# KiCad board k410t-devboard.kicad_pcb (continued)
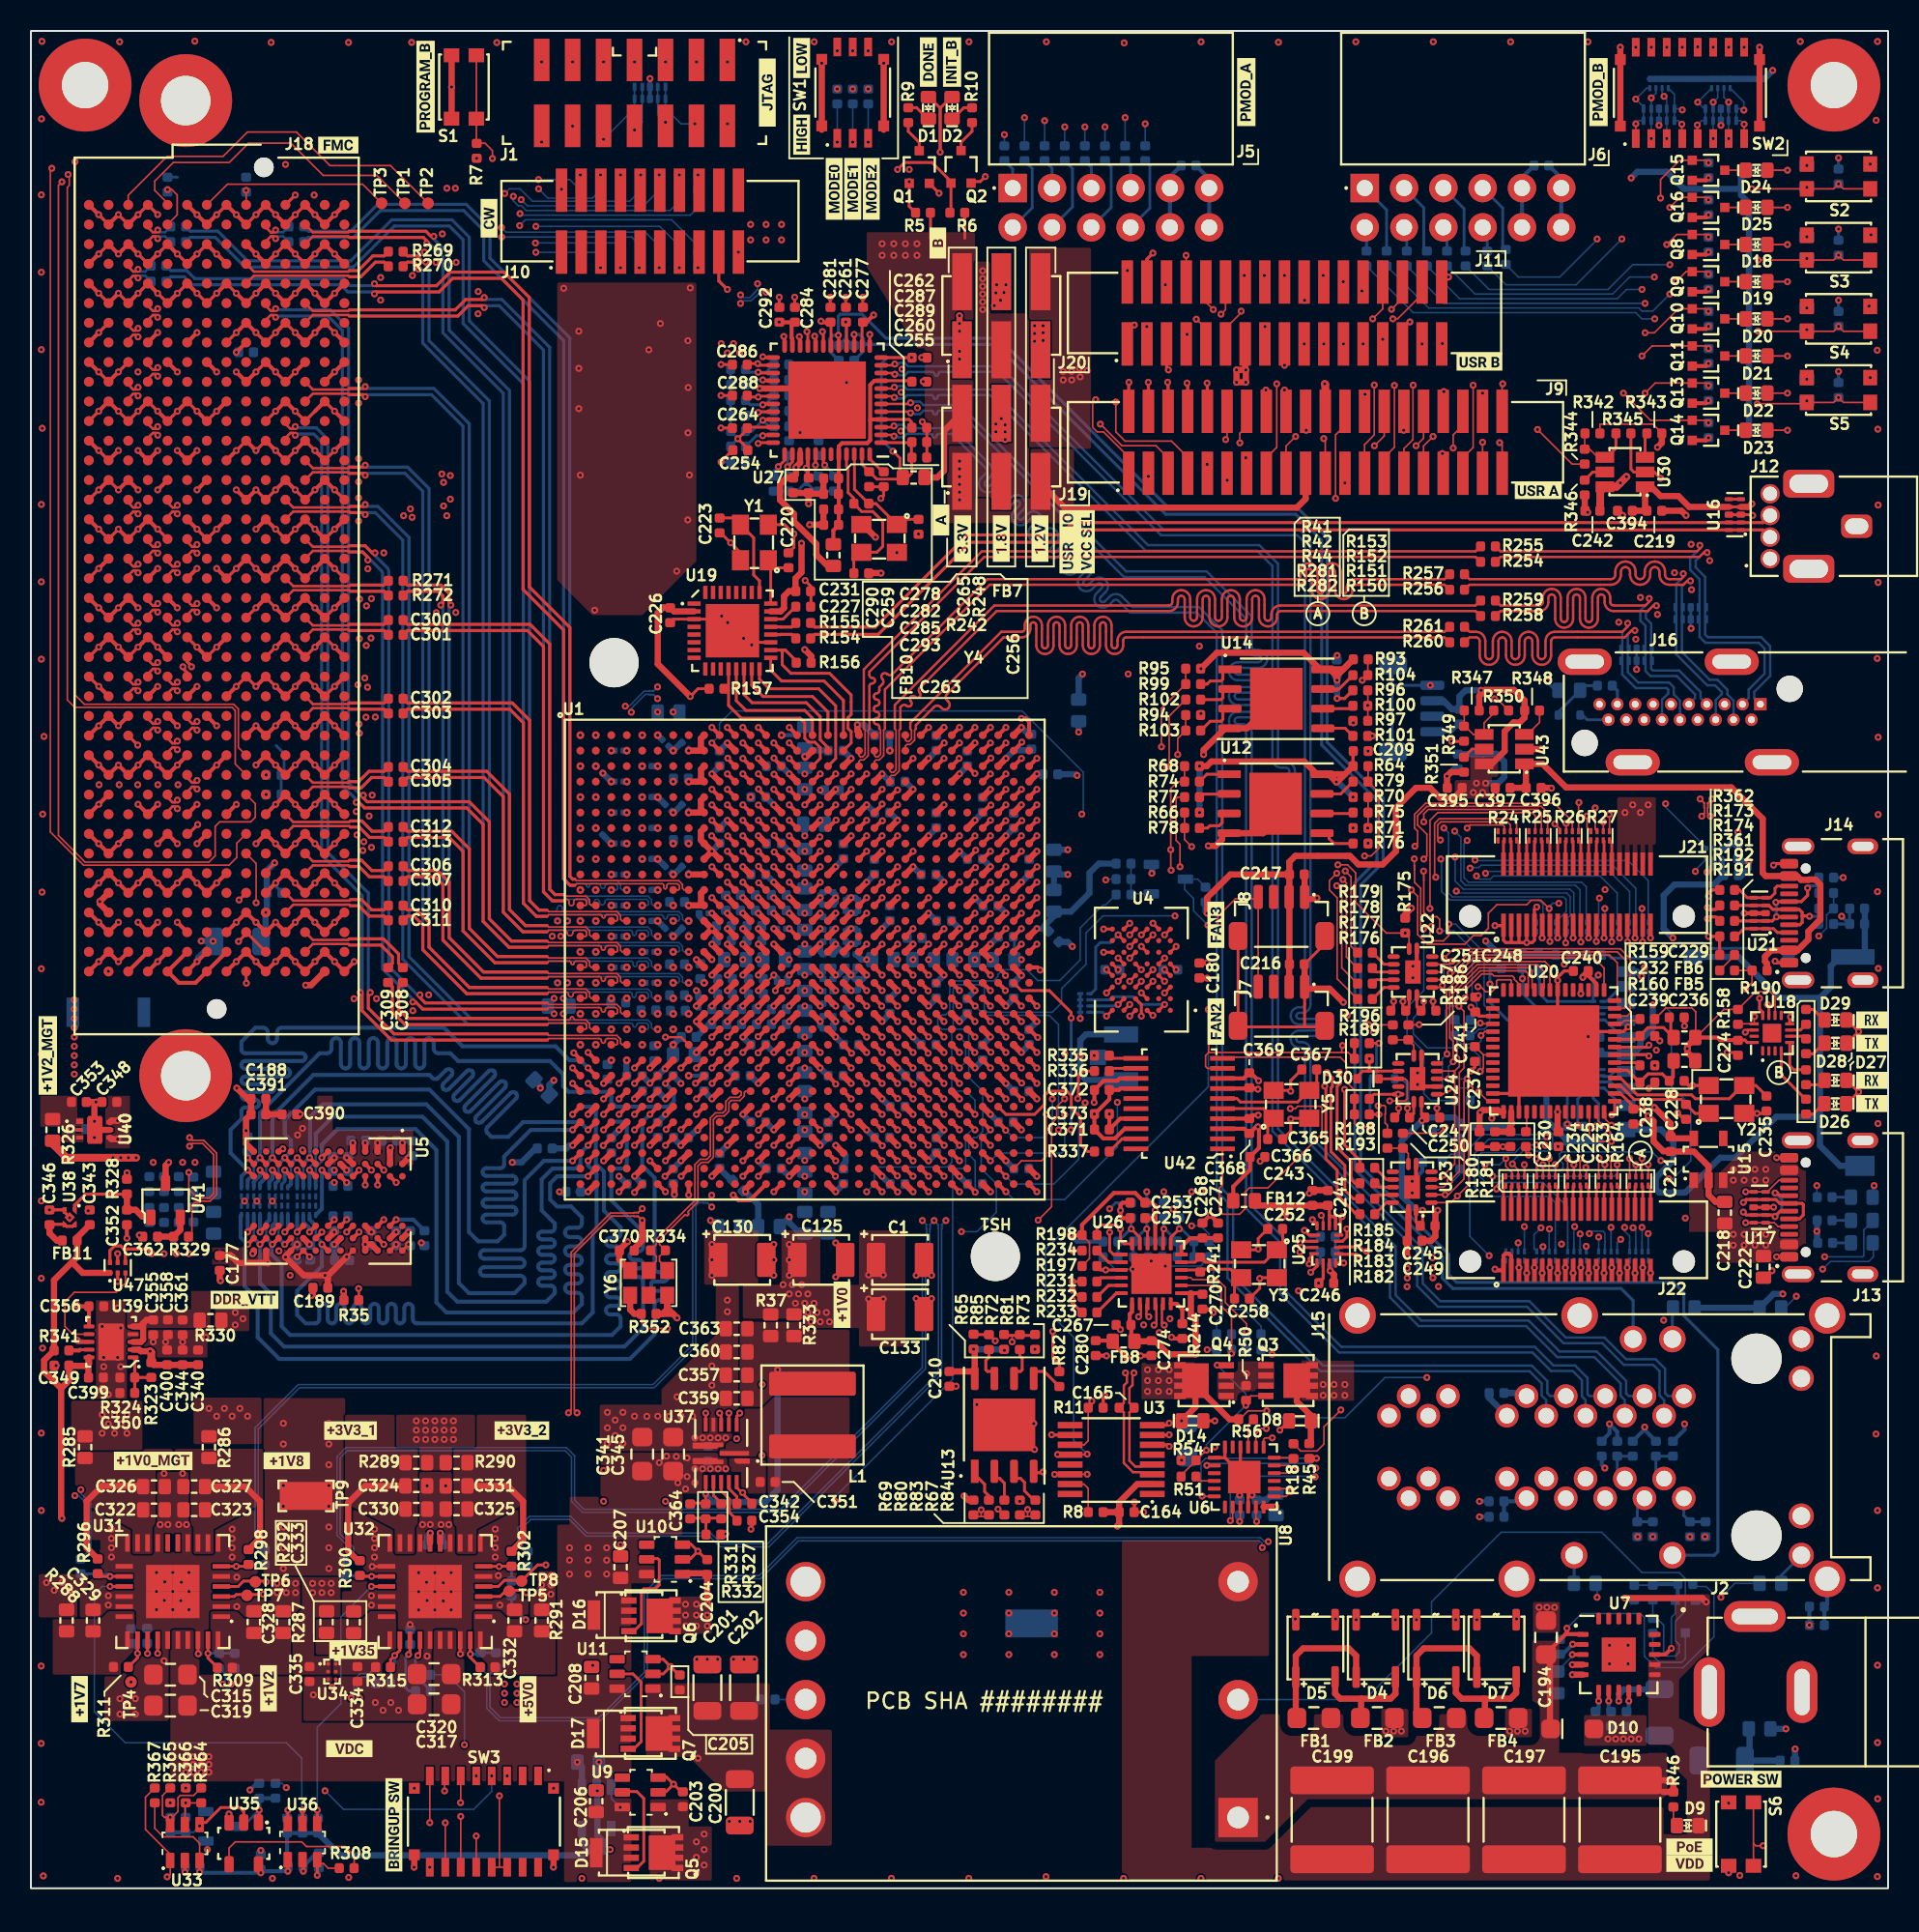
[diagram p0: board, top side]
## Routing (per net, layer and track width the routed paths; a pad name or vN(x,y) marks a point on that pad's centre or on a via; arc(x,y) is an arc through that point) (continued)
  Top w0.184: 68.88,42.2 68.88,42.63 69.1,42.85 70.15,42.85 v1(70.4,42.6) 70.4,41.88 70.64,41.64 71.15,41.64
  Top w0.256: v1(53.03,53.95) 53.03,53.97 U1.AA18
  In5.Cu w0.1: v1(70.4,42.6) 70.4,42.22 69.78,41.6 67.15,41.6 66.9,41.35 66.9,39.88 63.32,36.3 61.22,36.3 57.62,32.7 53.35,32.7 53,33.05 53,37.76 52.4,38.36 52.4,53.32 v1(53.03,53.95)
/FPGA Bank 18 & 32/ETH_RMII.REFCLK: length 52.9
  Top w0.184: v1(67.3,41.2) 67.91,41.2
  Top w0.256: v1(52,51.96) 52,52 U1.AC17
  In5.Cu w0.1: v1(67.3,41.2) 68.75,41.2 69,40.95 69,39.8 68.78,39.57 68.53,39.57 arc(68.31,39.66) 68.22,39.88 68.22,40.22 arc(68.14,40.43) 67.93,40.52 arc(67.71,40.43) 67.62,40.22 67.62,39.88 arc(67.54,39.66) 67.32,39.57 67.14,39.57 63.67,36.1 61.32,36.1 57.72,32.5 53.15,32.5 52.78,32.88 52.78,37.7 51.6,38.88 51.6,39.95 arc(51.65,40.07) 51.78,40.12 52.03,40.12 arc(52.15,40.18) 52.2,40.3 arc(52.15,40.42) 52.03,40.47 51.78,40.47 arc(51.65,40.53) 51.6,40.65 arc(51.65,40.77) 51.78,40.82 52.03,40.82 arc(52.15,40.88) 52.2,41 arc(52.15,41.12) 52.03,41.18 51.78,41.18 arc(51.65,41.23) 51.6,41.35 51.6,41.93 arc(51.65,42.05) 51.78,42.1 52.03,42.1 arc(52.15,42.15) 52.2,42.28 arc(52.15,42.4) 52.03,42.45 51.78,42.45 arc(51.65,42.5) 51.6,42.62 arc(51.65,42.75) 51.78,42.8 52.03,42.8 arc(52.15,42.85) 52.2,42.97 arc(52.15,43.1) 52.03,43.15 51.78,43.15 arc(51.65,43.2) 51.6,43.32 arc(51.65,43.45) 51.78,43.5 52.03,43.5 arc(52.15,43.55) 52.2,43.68 arc(52.15,43.8) 52.03,43.85 51.78,43.85 arc(51.65,43.9) 51.6,44.03 arc(51.65,44.15) 51.78,44.2 52.03,44.2 arc(52.15,44.25) 52.2,44.38 arc(52.15,44.5) 52.03,44.55 51.78,44.55 arc(51.65,44.6) 51.6,44.72 51.6,48.38 arc(51.65,48.5) 51.78,48.55 52.03,48.55 arc(52.15,48.6) 52.2,48.72 arc(52.15,48.85) 52.03,48.9 51.78,48.9 arc(51.65,48.95) 51.6,49.07 arc(51.65,49.2) 51.78,49.25 52.03,49.25 arc(52.15,49.3) 52.2,49.43 arc(52.15,49.55) 52.03,49.6 51.78,49.6 arc(51.65,49.65) 51.6,49.78 51.6,50.72 arc(51.65,50.85) 51.78,50.9 52.03,50.9 arc(52.15,50.95) 52.2,51.07 arc(52.15,51.2) 52.03,51.25 51.78,51.25 arc(51.65,51.3) 51.6,51.43 51.6,51.56 v1(52,51.96)
/FPGA Bank 18 & 32/ETH_RMII.RX_DV: length 53.4
  Top w0.256: v1(53,49) U1.AF18
  In5.Cu w0.1: v1(69.7,43.9) 68.2,43.9 66.35,42.05 66.35,40.18 62.88,36.7 61.03,36.7 58.32,34 58.1,34 arc(57.98,34.05) 57.93,34.18 57.93,34.65 arc(57.87,34.78) 57.75,34.83 arc(57.63,34.78) 57.57,34.65 57.57,34.18 arc(57.52,34.05) 57.4,34 arc(57.28,34.05) 57.22,34.18 57.22,34.65 arc(57.17,34.78) 57.05,34.83 arc(56.93,34.78) 56.88,34.65 56.88,34.18 arc(56.82,34.05) 56.7,34 arc(56.58,34.05) 56.53,34.18 56.53,34.65 arc(56.47,34.78) 56.35,34.83 arc(56.23,34.78) 56.18,34.65 56.18,34.18 arc(56.12,34.05) 56,34 arc(55.88,34.05) 55.82,34.18 55.82,34.65 arc(55.77,34.78) 55.65,34.83 arc(55.53,34.78) 55.47,34.65 55.47,34.18 arc(55.42,34.05) 55.3,34 arc(55.18,34.05) 55.12,34.18 55.12,34.65 arc(55.07,34.78) 54.95,34.83 arc(54.83,34.78) 54.78,34.65 54.78,34.18 arc(54.72,34.05) 54.6,34 arc(54.48,34.05) 54.43,34.18 54.43,34.65 arc(54.37,34.78) 54.25,34.83 arc(54.13,34.78) 54.07,34.65 54.07,34.18 arc(54.02,34.05) 53.9,34 53.8,34 53.4,34.4 53.4,37.93 52.85,38.47 52.85,38.62 arc(52.9,38.75) 53.03,38.8 53.22,38.8 arc(53.35,38.85) 53.4,38.97 arc(53.35,39.1) 53.22,39.15 53.03,39.15 arc(52.9,39.2) 52.85,39.32 arc(52.9,39.45) 53.03,39.5 53.22,39.5 arc(53.35,39.55) 53.4,39.68 arc(53.35,39.8) 53.22,39.85 53.03,39.85 arc(52.9,39.9) 52.85,40.03 arc(52.9,40.15) 53.03,40.2 53.22,40.2 arc(53.35,40.25) 53.4,40.38 arc(53.35,40.5) 53.22,40.55 53.03,40.55 arc(52.9,40.6) 52.85,40.72 arc(52.9,40.85) 53.03,40.9 53.22,40.9 arc(53.35,40.95) 53.4,41.07 arc(53.35,41.2) 53.22,41.25 53.03,41.25 arc(52.9,41.3) 52.85,41.43 arc(52.9,41.55) 53.03,41.6 53.22,41.6 arc(53.35,41.65) 53.4,41.78 arc(53.35,41.9) 53.22,41.95 53.03,41.95 arc(52.9,42) 52.85,42.12 arc(52.9,42.25) 53.03,42.3 53.22,42.3 arc(53.35,42.35) 53.4,42.47 arc(53.35,42.6) 53.22,42.65 53.03,42.65 arc(52.9,42.7) 52.85,42.82 arc(52.9,42.95) 53.03,43 53.22,43 arc(53.35,43.05) 53.4,43.18 arc(53.35,43.3) 53.22,43.35 53.03,43.35 arc(52.9,43.4) 52.85,43.53 arc(52.9,43.65) 53.03,43.7 53.22,43.7 arc(53.35,43.75) 53.4,43.88 arc(53.35,44) 53.22,44.05 53.03,44.05 arc(52.9,44.1) 52.85,44.22 52.85,48.85 v1(53,49)
  Bottom w0.184: 71.08,44.28 70.09,44.28 v1(69.7,43.9)
/FPGA Bank 18 & 32/ETH_RMII.RXD0: length 52.5
  Top w0.256: U1.AC19 v1(54,52)
  In5.Cu w0.1: v1(54,52) 54.4,51.6 54.4,51.45 arc(54.35,51.33) 54.22,51.28 53.97,51.28 arc(53.85,51.22) 53.8,51.1 arc(53.85,50.98) 53.97,50.93 54.22,50.93 arc(54.35,50.87) 54.4,50.75 arc(54.35,50.63) 54.22,50.57 53.97,50.57 arc(53.85,50.52) 53.8,50.4 arc(53.85,50.28) 53.97,50.22 54.22,50.22 arc(54.35,50.17) 54.4,50.05 arc(54.35,49.93) 54.22,49.88 53.97,49.88 arc(53.85,49.82) 53.8,49.7 arc(53.85,49.58) 53.97,49.53 54.22,49.53 arc(54.35,49.47) 54.4,49.35 54.4,48.75 arc(54.35,48.63) 54.22,48.57 53.78,48.57 arc(53.65,48.52) 53.6,48.4 arc(53.65,48.28) 53.78,48.22 54.22,48.22 arc(54.35,48.17) 54.4,48.05 arc(54.35,47.93) 54.22,47.88 53.62,47.88 arc(53.5,47.82) 53.45,47.7 arc(53.5,47.58) 53.62,47.53 54.22,47.53 arc(54.35,47.47) 54.4,47.35 arc(54.35,47.23) 54.22,47.18 53.62,47.18 arc(53.5,47.12) 53.45,47 arc(53.5,46.88) 53.62,46.82 54.22,46.82 arc(54.35,46.77) 54.4,46.65 arc(54.35,46.53) 54.22,46.47 53.62,46.47 arc(53.5,46.42) 53.45,46.3 arc(53.5,46.18) 53.62,46.12 54.22,46.12 arc(54.35,46.07) 54.4,45.95 arc(54.35,45.83) 54.22,45.78 53.62,45.78 arc(53.5,45.72) 53.45,45.6 arc(53.5,45.48) 53.62,45.43 54.22,45.43 arc(54.35,45.37) 54.4,45.25 54.4,44.2 54.7,43.9 54.7,39.22 arc(54.75,39.1) 54.88,39.05 55.07,39.05 arc(55.2,39) 55.25,38.88 arc(55.2,38.75) 55.07,38.7 54.88,38.7 arc(54.75,38.65) 54.7,38.53 54.7,36.32 55.55,35.47 58.95,35.47 60.77,37.3 62.4,37.3 65.72,40.62 65.72,42.35 68.18,44.8 71.69,44.8 71.87,44.62 72.82,44.62 v1(73.2,45)
  Bottom w0.184: 73.2,44.28 v1(73.2,45)
/FPGA Bank 18 & 32/ETH_RMII.RXD1: length 52.6
  Top w0.256: U1.AE18 v1(53,50)
  In5.Cu w0.1: v1(73.8,43.88) 73.22,43.3 72.2,43.3 71.1,44.4 68.4,44.4 66.12,42.12 66.12,40.43 62.6,36.9 60.94,36.9 59.11,35.07 55,35.07 arc(54.88,35.13) 54.82,35.25 54.82,35.31 arc(54.77,35.43) 54.65,35.48 arc(54.53,35.43) 54.47,35.31 54.47,35.25 arc(54.42,35.13) 54.3,35.07 54.03,35.07 53.6,35.5 53.6,35.72 arc(53.65,35.85) 53.78,35.9 54.12,35.9 arc(54.25,35.95) 54.3,36.07 arc(54.25,36.2) 54.12,36.25 53.78,36.25 arc(53.65,36.3) 53.6,36.43 arc(53.65,36.55) 53.78,36.6 54.12,36.6 arc(54.25,36.65) 54.3,36.78 arc(54.25,36.9) 54.12,36.95 53.78,36.95 arc(53.65,37) 53.6,37.12 arc(53.65,37.25) 53.78,37.3 54.12,37.3 arc(54.25,37.35) 54.3,37.47 arc(54.25,37.6) 54.12,37.65 53.78,37.65 arc(53.65,37.7) 53.6,37.82 53.6,38.47 arc(53.67,38.63) 53.82,38.7 54.07,38.7 arc(54.23,38.77) 54.3,38.93 arc(54.23,39.08) 54.07,39.15 53.82,39.15 arc(53.67,39.22) 53.6,39.38 53.6,40.32 arc(53.65,40.45) 53.78,40.5 54.12,40.5 arc(54.25,40.55) 54.3,40.68 arc(54.25,40.8) 54.12,40.85 53.78,40.85 arc(53.65,40.9) 53.6,41.03 arc(53.65,41.15) 53.78,41.2 54.12,41.2 arc(54.25,41.25) 54.3,41.38 arc(54.25,41.5) 54.12,41.55 53.78,41.55 arc(53.65,41.6) 53.6,41.72 arc(53.65,41.85) 53.78,41.9 54.12,41.9 arc(54.25,41.95) 54.3,42.07 arc(54.25,42.2) 54.12,42.25 53.78,42.25 arc(53.65,42.3) 53.6,42.43 arc(53.65,42.55) 53.78,42.6 54.12,42.6 arc(54.25,42.65) 54.3,42.78 arc(54.25,42.9) 54.12,42.95 53.78,42.95 arc(53.65,43) 53.6,43.12 arc(53.65,43.25) 53.78,43.3 54.12,43.3 arc(54.25,43.35) 54.3,43.47 arc(54.25,43.6) 54.12,43.65 53.78,43.65 arc(53.65,43.7) 53.6,43.82 53.6,44.4 53.05,44.95 53.05,48.52 53.38,48.84 53.38,49.62 v1(53,50)
  Bottom w0.184: v1(73.8,43.88) 74.2,44.28
/FPGA Bank 18 & 32/ETH_RMII.RXER: length 50.1
  Top w0.256: U1.Y19 v1(54,55)
  In5.Cu w0.1: v1(54,55) 54.6,54.4 54.6,44.5 55.47,43.62 55.47,43.43 arc(55.42,43.3) 55.3,43.25 55.1,43.25 arc(54.98,43.2) 54.93,43.07 arc(54.98,42.95) 55.1,42.9 55.3,42.9 arc(55.42,42.85) 55.47,42.72 arc(55.42,42.6) 55.3,42.55 55.1,42.55 arc(54.98,42.5) 54.93,42.38 arc(54.98,42.25) 55.1,42.2 55.3,42.2 arc(55.42,42.15) 55.47,42.03 arc(55.42,41.9) 55.3,41.85 55.1,41.85 arc(54.98,41.8) 54.93,41.68 arc(54.98,41.55) 55.1,41.5 55.3,41.5 arc(55.42,41.45) 55.47,41.32 arc(55.42,41.2) 55.3,41.15 55.1,41.15 arc(54.98,41.1) 54.93,40.97 arc(54.98,40.85) 55.1,40.8 55.3,40.8 arc(55.42,40.75) 55.47,40.62 arc(55.42,40.5) 55.3,40.45 55.1,40.45 arc(54.98,40.4) 54.93,40.28 arc(54.98,40.15) 55.1,40.1 55.3,40.1 arc(55.42,40.05) 55.47,39.93 55.47,37.9 arc(55.42,37.76) 55.28,37.7 55.12,37.7 arc(54.98,37.64) 54.93,37.5 arc(54.98,37.36) 55.12,37.3 55.28,37.3 arc(55.42,37.24) 55.47,37.1 arc(55.42,36.96) 55.28,36.9 55.12,36.9 arc(54.98,36.84) 54.93,36.7 arc(54.98,36.56) 55.12,36.5 55.28,36.5 arc(55.42,36.44) 55.47,36.3 55.47,36.03 55.78,35.72 58.91,35.72 60.69,37.5 62.3,37.5 65.53,40.72 65.53,42.45 68.55,45.47 69.07,45.47 arc(69.2,45.42) 69.25,45.3 69.25,45.24 arc(69.3,45.11) 69.43,45.06 arc(69.55,45.11) 69.6,45.24 69.6,45.3 arc(69.65,45.42) 69.78,45.47 arc(69.9,45.42) 69.95,45.3 69.95,45.24 arc(70,45.11) 70.12,45.06 arc(70.25,45.11) 70.3,45.24 70.3,45.3 arc(70.35,45.42) 70.47,45.47 arc(70.6,45.42) 70.65,45.3 70.65,45.24 arc(70.7,45.11) 70.82,45.06 arc(70.95,45.11) 71,45.24 71,45.3 arc(71.05,45.42) 71.18,45.47 71.62,45.47 v1(72.1,45)
  Bottom w0.184: 72.1,44.28 v1(72.1,45)
/FPGA Bank 18 & 32/ETH_RMII.TXD0: length 58.7
  Top w0.184: 67.91,38.2 67.75,38.2 v1(67.3,38.65)
  Top w0.256: U1.AC15 v1(49,52)
  In5.Cu w0.1: v1(49,52) 49.4,51.6 50.3,51.6 50.57,51.32 50.57,44.67 49.78,43.87 49.78,43.62 49.78,43.59 49.8,43.53 49.85,43.48 49.92,43.45 49.95,43.45 50.4,43.45 50.43,43.45 50.5,43.42 50.55,43.37 50.57,43.31 50.57,43.28 50.57,43.24 50.55,43.18 50.5,43.13 50.43,43.1 50.4,43.1 49.95,43.1 49.92,43.1 49.85,43.07 49.8,43.02 49.78,42.96 49.78,42.93 49.78,42.89 49.8,42.83 49.85,42.78 49.92,42.75 49.95,42.75 50.4,42.75 50.43,42.75 50.5,42.72 50.55,42.67 50.57,42.61 50.57,42.57 50.57,42.54 50.55,42.48 50.5,42.43 50.43,42.4 50.4,42.4 49.95,42.4 49.92,42.4 49.85,42.37 49.8,42.32 49.78,42.26 49.78,42.22 49.78,42.19 49.8,42.13 49.85,42.08 49.92,42.05 49.95,42.05 50.4,42.05 50.43,42.05 50.5,42.02 50.55,41.97 50.57,41.91 50.57,41.88 50.57,41.84 50.55,41.78 50.5,41.73 50.43,41.7 50.4,41.7 49.95,41.7 49.92,41.7 49.85,41.67 49.8,41.62 49.78,41.56 49.78,41.53 49.78,41.49 49.8,41.43 49.85,41.38 49.92,41.35 49.95,41.35 50.4,41.35 50.43,41.35 50.5,41.32 50.55,41.27 50.57,41.21 50.57,41.18 50.57,41.14 50.55,41.08 50.5,41.03 50.43,41 50.4,41 49.95,41 49.92,41 49.85,40.97 49.8,40.92 49.78,40.86 49.78,40.82 49.78,40.79 49.8,40.73 49.85,40.68 49.92,40.65 49.95,40.65 50.4,40.65 50.43,40.65 50.5,40.62 50.55,40.57 50.57,40.51 50.57,40.47 50.57,40.44 50.55,40.38 50.5,40.33 50.43,40.3 50.4,40.3 49.95,40.3 49.92,40.3 49.85,40.27 49.8,40.22 49.78,40.16 49.78,39.9 52.38,37.3 52.38,32.45 52.8,32.03 60.93,32.03 61.03,32.12 arc(61.08,32.25) 61.03,32.37 60.23,33.16 arc(60.18,33.29) 60.23,33.41 arc(60.36,33.46) 60.48,33.41 61.27,32.62 arc(61.4,32.57) 61.52,32.62 arc(61.57,32.74) 61.52,32.87 60.73,33.66 arc(60.68,33.78) 60.73,33.91 arc(60.85,33.96) 60.98,33.91 61.77,33.11 arc(61.89,33.06) 62.01,33.11 arc(62.07,33.24) 62.01,33.36 61.22,34.15 arc(61.17,34.28) 61.22,34.4 arc(61.35,34.45) 61.47,34.4 62.26,33.61 arc(62.39,33.56) 62.51,33.61 arc(62.56,33.73) 62.51,33.86 61.72,34.65 arc(61.67,34.77) 61.72,34.9 arc(61.84,34.95) 61.97,34.9 62.76,34.1 arc(62.88,34.05) 63,34.1 63.31,34.41 66.82,37.93 66.82,38.18 v1(67.3,38.65)
/FPGA Bank 18 & 32/ETH_RMII.TXD1: length 61.6
  Top w0.184: v1(67.3,38) 67.3,37.82 67.91,37.2
  Top w0.256: U1.AD14 v1(48,51)
  In5.Cu w0.1: v1(48,51) 48.4,51.4 50.2,51.4 50.38,51.22 50.38,44.75 49.57,43.95 49.57,39.8 52.18,37.2 52.18,36.2 arc(52.12,36.08) 52,36.03 51.35,36.03 arc(51.23,35.97) 51.18,35.85 arc(51.23,35.73) 51.35,35.68 52,35.68 arc(52.12,35.62) 52.18,35.5 arc(52.12,35.38) 52,35.32 51.35,35.32 arc(51.23,35.27) 51.18,35.15 arc(51.23,35.03) 51.35,34.97 52,34.97 arc(52.12,34.92) 52.18,34.8 arc(52.12,34.68) 52,34.62 51.35,34.62 arc(51.23,34.57) 51.18,34.45 arc(51.23,34.33) 51.35,34.28 52,34.28 arc(52.12,34.22) 52.18,34.1 arc(52.12,33.98) 52,33.93 51.35,33.93 arc(51.23,33.87) 51.18,33.75 arc(51.23,33.63) 51.35,33.57 52,33.57 arc(52.12,33.52) 52.18,33.4 arc(52.12,33.28) 52,33.22 51.35,33.22 arc(51.23,33.17) 51.18,33.05 arc(51.23,32.93) 51.35,32.88 52,32.88 arc(52.12,32.82) 52.18,32.7 52.18,32.28 52.65,31.8 61.1,31.8 61.29,31.99 arc(61.41,32.04) 61.53,31.99 61.82,31.71 arc(61.94,31.66) 62.06,31.71 arc(62.11,31.83) 62.06,31.95 61.78,32.24 arc(61.73,32.36) 61.78,32.48 arc(61.9,32.54) 62.03,32.48 62.31,32.2 arc(62.43,32.15) 62.56,32.2 arc(62.61,32.33) 62.56,32.45 62.28,32.73 arc(62.22,32.86) 62.28,32.98 arc(62.4,33.03) 62.52,32.98 62.81,32.7 arc(62.93,32.65) 63.05,32.7 arc(63.1,32.82) 63.05,32.94 62.77,33.23 arc(62.72,33.35) 62.77,33.47 arc(62.89,33.53) 63.02,33.47 63.3,33.19 arc(63.42,33.14) 63.55,33.19 arc(63.6,33.32) 63.55,33.44 63.27,33.72 arc(63.21,33.85) 63.27,33.97 arc(63.39,34.02) 63.51,33.97 63.8,33.69 arc(63.92,33.64) 64.04,33.69 arc(64.09,33.81) 64.04,33.93 63.76,34.22 arc(63.71,34.34) 63.76,34.46 arc(63.88,34.52) 64.01,34.46 64.29,34.18 arc(64.41,34.13) 64.54,34.18 arc(64.59,34.31) 64.54,34.43 64.26,34.71 arc(64.2,34.84) 64.26,34.96 64.72,35.43 arc(64.85,35.48) 64.97,35.43 65.25,35.14 arc(65.38,35.09) 65.5,35.14 arc(65.55,35.27) 65.5,35.39 65.22,35.67 arc(65.17,35.8) 65.22,35.92 66,36.7 arc(66.12,36.75) 66.25,36.7 66.47,36.48 arc(66.6,36.42) 66.72,36.48 arc(66.77,36.6) 66.72,36.72 66.49,36.95 arc(66.44,37.07) 66.49,37.2 arc(66.62,37.25) 66.74,37.2 66.97,36.97 arc(67.09,36.92) 67.21,36.97 arc(67.27,37.09) 67.21,37.22 66.99,37.44 arc(66.94,37.57) 66.99,37.69 v1(67.3,38)
/FPGA Bank 18 & 32/ETH_RMII.TXEN: length 59.1
  Top w0.184: 67.91,39.2 v1(67.3,39.2)
  Top w0.256: U1.AA16 v1(51,54)
  In5.Cu w0.1: v1(51,54) 51.4,53.6 51.4,52.7 arc(51.35,52.58) 51.22,52.53 50.97,52.53 arc(50.85,52.47) 50.8,52.35 arc(50.85,52.23) 50.97,52.18 51.22,52.18 arc(51.35,52.12) 51.4,52 arc(51.35,51.88) 51.22,51.82 50.97,51.82 arc(50.85,51.77) 50.8,51.65 arc(50.85,51.53) 50.97,51.47 51.22,51.47 arc(51.35,51.42) 51.4,51.3 arc(51.35,51.18) 51.22,51.12 50.97,51.12 arc(50.85,51.07) 50.8,50.95 arc(50.85,50.83) 50.97,50.78 51.22,50.78 arc(51.35,50.72) 51.4,50.6 arc(51.35,50.48) 51.22,50.43 50.97,50.43 arc(50.85,50.37) 50.8,50.25 arc(50.85,50.13) 50.97,50.07 51.22,50.07 arc(51.35,50.02) 51.4,49.9 arc(51.35,49.78) 51.22,49.72 50.97,49.72 arc(50.85,49.67) 50.8,49.55 arc(50.85,49.43) 50.97,49.38 51.22,49.38 arc(51.35,49.32) 51.4,49.2 51.4,47.62 arc(51.35,47.5) 51.22,47.45 50.97,47.45 arc(50.85,47.4) 50.8,47.28 arc(50.85,47.15) 50.97,47.1 51.22,47.1 arc(51.35,47.05) 51.4,46.93 arc(51.35,46.8) 51.22,46.75 50.97,46.75 arc(50.85,46.7) 50.8,46.57 arc(50.85,46.45) 50.97,46.4 51.22,46.4 arc(51.35,46.35) 51.4,46.22 arc(51.35,46.1) 51.22,46.05 50.97,46.05 arc(50.85,46) 50.8,45.88 arc(50.85,45.75) 50.97,45.7 51.22,45.7 arc(51.35,45.65) 51.4,45.53 arc(51.35,45.4) 51.22,45.35 50.97,45.35 arc(50.85,45.3) 50.8,45.18 arc(50.85,45.05) 50.97,45 51.22,45 arc(51.35,44.95) 51.4,44.82 arc(51.35,44.7) 51.22,44.65 50.97,44.65 arc(50.85,44.6) 50.8,44.47 arc(50.85,44.35) 50.97,44.3 51.22,44.3 arc(51.35,44.25) 51.4,44.12 arc(51.35,44) 51.22,43.95 50.97,43.95 arc(50.85,43.9) 50.8,43.78 arc(50.85,43.65) 50.97,43.6 51.22,43.6 arc(51.35,43.55) 51.4,43.43 arc(51.35,43.3) 51.22,43.25 50.97,43.25 arc(50.85,43.2) 50.8,43.07 arc(50.85,42.95) 50.97,42.9 51.22,42.9 arc(51.35,42.85) 51.4,42.72 arc(51.35,42.6) 51.22,42.55 50.97,42.55 arc(50.85,42.5) 50.8,42.38 arc(50.85,42.25) 50.97,42.2 51.22,42.2 arc(51.35,42.15) 51.4,42.03 arc(51.35,41.9) 51.22,41.85 50.97,41.85 arc(50.85,41.8) 50.8,41.68 arc(50.85,41.55) 50.97,41.5 51.22,41.5 arc(51.35,41.45) 51.4,41.32 arc(51.35,41.2) 51.22,41.15 50.97,41.15 arc(50.85,41.1) 50.8,40.97 arc(50.85,40.85) 50.97,40.8 51.22,40.8 arc(51.35,40.75) 51.4,40.62 arc(51.35,40.5) 51.22,40.45 50.97,40.45 arc(50.85,40.4) 50.8,40.28 arc(50.85,40.15) 50.97,40.1 51.22,40.1 arc(51.35,40.05) 51.4,39.93 arc(51.35,39.8) 51.22,39.75 50.97,39.75 arc(50.85,39.7) 50.8,39.57 arc(50.85,39.45) 50.97,39.4 51.22,39.4 arc(51.35,39.35) 51.4,39.22 51.4,38.79 52.57,37.62 52.57,32.65 52.97,32.25 57.75,32.25 58.39,32.89 arc(58.53,32.95) 58.67,32.89 58.82,32.73 arc(58.97,32.67) 59.11,32.73 arc(59.17,32.87) 59.11,33.02 58.95,33.17 arc(58.89,33.31) 58.95,33.45 arc(59.09,33.51) 59.24,33.45 59.39,33.3 arc(59.53,33.24) 59.67,33.3 arc(59.73,33.44) 59.67,33.58 59.52,33.74 arc(59.46,33.88) 59.52,34.02 arc(59.66,34.08) 59.8,34.02 59.96,33.86 arc(60.1,33.81) 60.24,33.86 arc(60.3,34.01) 60.24,34.15 60.08,34.3 arc(60.03,34.44) 60.08,34.58 61.4,35.9 64,35.9 v1(67.3,39.2)
/FPGA Bank 18 & 32/ETH_RMII.~{RESET}: length 51.4
  Top w0.184: 69.85,39.95 v1(69.45,39.95)
  Top w0.198: v1(69.45,39.95) 69.13,39.95 68.88,40.2 ; 70.46,39.95 69.85,39.95
  Top w0.256: U1.AD18 v1(53,51)
  In5.Cu w0.1: v1(69.45,39.95) 70.6,41.1 73.5,41.1 74.6,42.2 74.6,43.78 74,44.38 71.43,44.38 71.2,44.6 68.3,44.6 65.93,42.22 65.93,40.53 62.5,37.1 60.85,37.1 59.03,35.28 55.4,35.28 54.5,36.18 54.5,43.82 54.2,44.12 54.2,44.12 53.25,45.07 53.25,48.44 53.57,48.76 53.57,50.43 v1(53,51)
/FPGA Bank 33 & 34/DDR_VRN: length 1.4
  Top w0.256: U1.AC6 40.01,52.01 v1(40,52.01)
  Bottom w0.4: R339.2 39.99,52.01 v1(40,52.01)
/FPGA Bank 33 & 34/DDR_VRP: length 1.4
  Top w0.4: v1(40.97,52.94) 40.97,52.97 U1.AB7
  Bottom w0.4: v1(40.97,52.94) 40.94,52.94 R340.1
/FPGA Bank 33 & 34/SD_CARD.CLK: length 120.4
  Top w0.256: U1.AC11 v1(45,52)
  In5.Cu w0.1: v1(45,52) 45.4,52.4 47.2,52.4 47.4,52.2 47.4,50.6 47.6,50.4 49.2,50.4 49.4,50.2 49.4,44.8 47.03,42.43 47.03,37.72 50.35,34.4 50.35,30.8 50.7,30.45 50.85,30.45 arc(50.97,30.4) 51.03,30.28 51.03,29.62 arc(51.08,29.5) 51.2,29.45 arc(51.32,29.5) 51.38,29.62 51.38,30.28 arc(51.43,30.4) 51.55,30.45 arc(51.67,30.4) 51.72,30.28 51.72,29.62 arc(51.78,29.5) 51.9,29.45 arc(52.02,29.5) 52.07,29.62 52.07,30.28 arc(52.13,30.4) 52.25,30.45 arc(52.37,30.4) 52.43,30.28 52.43,29.62 arc(52.48,29.5) 52.6,29.45 arc(52.72,29.5) 52.78,29.62 52.78,30.28 arc(52.83,30.4) 52.95,30.45 arc(53.07,30.4) 53.12,30.28 53.12,29.62 arc(53.18,29.5) 53.3,29.45 arc(53.42,29.5) 53.47,29.62 53.47,30.28 arc(53.53,30.4) 53.65,30.45 arc(53.77,30.4) 53.82,30.28 53.82,29.62 arc(53.88,29.5) 54,29.45 arc(54.12,29.5) 54.18,29.62 54.18,30.28 arc(54.23,30.4) 54.35,30.45 arc(54.47,30.4) 54.53,30.28 54.53,29.62 arc(54.58,29.5) 54.7,29.45 arc(54.82,29.5) 54.88,29.62 54.88,30.28 arc(54.93,30.4) 55.05,30.45 arc(55.17,30.4) 55.22,30.28 55.22,29.62 arc(55.28,29.5) 55.4,29.45 arc(55.52,29.5) 55.57,29.62 55.57,30.28 arc(55.63,30.4) 55.75,30.45 arc(55.87,30.4) 55.93,30.28 55.93,29.62 arc(55.98,29.5) 56.1,29.45 arc(56.22,29.5) 56.28,29.62 56.28,30.28 arc(56.33,30.4) 56.45,30.45 arc(56.57,30.4) 56.62,30.28 56.62,29.62 arc(56.68,29.5) 56.8,29.45 arc(56.92,29.5) 56.97,29.62 56.97,30.28 arc(57.03,30.4) 57.15,30.45 arc(57.27,30.4) 57.32,30.28 57.32,29.62 arc(57.38,29.5) 57.5,29.45 arc(57.62,29.5) 57.68,29.62 57.68,30.28 arc(57.73,30.4) 57.85,30.45 arc(57.97,30.4) 58.03,30.28 58.03,29.62 arc(58.08,29.5) 58.2,29.45 arc(58.32,29.5) 58.38,29.62 58.38,30.28 arc(58.43,30.4) 58.55,30.45 arc(58.67,30.4) 58.72,30.28 58.72,29.62 arc(58.78,29.5) 58.9,29.45 arc(59.02,29.5) 59.07,29.62 59.07,30.28 arc(59.13,30.4) 59.25,30.45 arc(59.37,30.4) 59.43,30.28 59.43,29.62 arc(59.48,29.5) 59.6,29.45 arc(59.72,29.5) 59.78,29.62 59.78,30.28 arc(59.83,30.4) 59.95,30.45 arc(60.07,30.4) 60.12,30.28 60.12,29.62 arc(60.18,29.5) 60.3,29.45 arc(60.42,29.5) 60.47,29.62 60.47,30.28 arc(60.53,30.4) 60.65,30.45 arc(60.77,30.4) 60.82,30.28 60.82,29.82 arc(60.88,29.7) 61,29.65 arc(61.12,29.7) 61.18,29.82 61.18,30.28 arc(61.23,30.4) 61.35,30.45 61.65,30.45 70.5,39.3 73.6,39.3 89.3,55 90.03,55 91.55,56.53 91.55,57.07 93.28,58.8 94.07,58.8 94.28,58.6 v1(94.28,58.43)
  Bottom w0.184: 95,59.41 94.31,59.41 94.28,59.38 v1(94.28,58.43) 94.28,57.22 95.4,56.1 100.95,56.1
/FPGA Bank 33 & 34/SD_CARD.CMD: length 120
  Top w0.256: v1(44.01,52) 44.01,52.01 U1.AC10
  In5.Cu w0.1: v1(99.28,49.38) 99.78,49.88 100.12,49.88 100.5,49.5 100.5,49.12 100.78,48.85 101.38,48.85 101.57,49.05 101.57,50.72 102.2,51.35 102.2,59.45 101.38,60.28 96.8,60.28 95.38,58.85 95.38,57.97 93.95,56.55 92.15,56.55 90.3,54.7 89.5,54.7 73.8,39 70.72,39 60.93,29.2 50.32,29.2 50.03,29.5 50.03,34.3 46.72,37.6 46.72,42.57 48.6,44.45 48.6,49.4 48.4,49.6 47.8,49.6 47.4,50 47.4,50.2 47.2,50.4 46.8,50.4 arc(46.68,50.45) 46.62,50.57 46.62,51.46 arc(46.57,51.58) 46.45,51.64 arc(46.33,51.58) 46.28,51.46 46.28,50.57 arc(46.22,50.45) 46.1,50.4 arc(45.98,50.45) 45.93,50.57 45.93,51.46 arc(45.87,51.58) 45.75,51.64 arc(45.63,51.58) 45.57,51.46 45.57,50.57 arc(45.52,50.45) 45.4,50.4 arc(45.28,50.45) 45.22,50.57 45.22,51.41 arc(45.17,51.53) 45.05,51.59 arc(44.93,51.53) 44.88,51.41 44.88,50.57 arc(44.82,50.45) 44.7,50.4 44.6,50.4 44.38,50.62 44.38,51.64 v1(44.01,52)
  Bottom w0.184: 99.3,49.24 99.3,49.35 v1(99.28,49.38) 99.28,51.72 100.05,52.5 100.95,52.5
/FPGA Bank 33 & 34/SD_CARD.DAT0: length 112.8
  Top w0.256: U1.AK14 v1(48,45)
  In5.Cu w0.1: v1(96.38,58.78) 96.38,57.65 96.03,57.31 arc(95.98,57.19) 96.03,57.06 96.49,56.6 arc(96.55,56.48) 96.49,56.36 arc(96.37,56.3) 96.25,56.36 95.79,56.81 arc(95.66,56.87) 95.54,56.81 arc(95.49,56.69) 95.54,56.57 96,56.11 arc(96.05,55.98) 96,55.86 arc(95.88,55.81) 95.75,55.86 95.29,56.32 arc(95.17,56.37) 95.04,56.32 arc(94.99,56.2) 95.04,56.07 95.5,55.61 arc(95.56,55.49) 95.5,55.37 arc(95.38,55.31) 95.26,55.37 94.8,55.82 arc(94.67,55.88) 94.55,55.82 94.22,55.5 92.25,55.5 90.55,53.8 89.7,53.8 74.3,38.4 71.1,38.4 61.45,28.75 61.12,28.75 arc(61,28.7) 60.95,28.57 60.95,28.13 arc(60.9,28) 60.78,27.95 arc(60.65,28) 60.6,28.13 60.6,28.57 arc(60.55,28.7) 60.43,28.75 arc(60.3,28.7) 60.25,28.57 60.25,28.08 arc(60.2,27.95) 60.07,27.9 arc(59.95,27.95) 59.9,28.08 59.9,28.57 arc(59.85,28.7) 59.72,28.75 arc(59.6,28.7) 59.55,28.57 59.55,28.08 arc(59.5,27.95) 59.38,27.9 arc(59.25,27.95) 59.2,28.08 59.2,28.57 arc(59.15,28.7) 59.03,28.75 arc(58.9,28.7) 58.85,28.57 58.85,28.08 arc(58.8,27.95) 58.68,27.9 arc(58.55,27.95) 58.5,28.08 58.5,28.57 arc(58.45,28.7) 58.32,28.75 arc(58.2,28.7) 58.15,28.57 58.15,28.08 arc(58.1,27.95) 57.97,27.9 arc(57.85,27.95) 57.8,28.08 57.8,28.57 arc(57.75,28.7) 57.62,28.75 arc(57.5,28.7) 57.45,28.57 57.45,28.08 arc(57.4,27.95) 57.28,27.9 arc(57.15,27.95) 57.1,28.08 57.1,28.57 arc(57.05,28.7) 56.93,28.75 arc(56.8,28.7) 56.75,28.57 56.75,28.08 arc(56.7,27.95) 56.57,27.9 arc(56.45,27.95) 56.4,28.08 56.4,28.57 arc(56.35,28.7) 56.22,28.75 arc(56.1,28.7) 56.05,28.57 56.05,28.08 arc(56,27.95) 55.88,27.9 arc(55.75,27.95) 55.7,28.08 55.7,28.57 arc(55.65,28.7) 55.53,28.75 arc(55.4,28.7) 55.35,28.57 55.35,28.08 arc(55.3,27.95) 55.18,27.9 arc(55.05,27.95) 55,28.08 55,28.57 arc(54.95,28.7) 54.82,28.75 arc(54.7,28.7) 54.65,28.57 54.65,28.08 arc(54.6,27.95) 54.47,27.9 arc(54.35,27.95) 54.3,28.08 54.3,28.57 arc(54.25,28.7) 54.12,28.75 arc(54,28.7) 53.95,28.57 53.95,28.08 arc(53.9,27.95) 53.78,27.9 arc(53.65,27.95) 53.6,28.08 53.6,28.57 arc(53.55,28.7) 53.43,28.75 arc(53.3,28.7) 53.25,28.57 53.25,28.08 arc(53.2,27.95) 53.07,27.9 arc(52.95,27.95) 52.9,28.08 52.9,28.57 arc(52.85,28.7) 52.72,28.75 arc(52.6,28.7) 52.55,28.57 52.55,28.08 arc(52.5,27.95) 52.38,27.9 arc(52.25,27.95) 52.2,28.08 52.2,28.57 arc(52.15,28.7) 52.03,28.75 arc(51.9,28.7) 51.85,28.57 51.85,28.08 arc(51.8,27.95) 51.68,27.9 arc(51.55,27.95) 51.5,28.08 51.5,28.57 arc(51.45,28.7) 51.32,28.75 arc(51.2,28.7) 51.15,28.57 51.15,28.08 arc(51.1,27.95) 50.97,27.9 arc(50.85,27.95) 50.8,28.08 50.8,28.57 arc(50.75,28.7) 50.62,28.75 arc(50.5,28.7) 50.45,28.57 50.45,28.08 arc(50.4,27.95) 50.28,27.9 arc(50.15,27.95) 50.1,28.08 50.1,28.57 arc(50.05,28.7) 49.93,28.75 49.82,28.75 49.43,29.15 49.43,34.03 46.12,37.32 46.12,43.12 v1(48,45)
  Bottom w0.184: 96.35,59.41 96.38,59.39 v1(96.38,58.78) 96.4,58.75 96.4,57.8 97.3,56.9 100.95,56.9
/FPGA Bank 33 & 34/SD_CARD.DAT1: length 115.7
  Top w0.256: U1.AF11 v1(45,49)
  In5.Cu w0.1: v1(101.28,59) 101.28,57.18 92.5,48.4 85.4,48.4 74.8,37.8 71.5,37.8 61.07,27.38 60.15,27.38 arc(60.03,27.32) 59.97,27.2 59.97,26.9 arc(59.92,26.78) 59.8,26.73 arc(59.68,26.78) 59.62,26.9 59.62,27.2 arc(59.57,27.32) 59.45,27.38 arc(59.33,27.32) 59.28,27.2 59.28,26.9 arc(59.22,26.78) 59.1,26.73 arc(58.98,26.78) 58.93,26.9 58.93,27.2 arc(58.87,27.32) 58.75,27.38 arc(58.63,27.32) 58.57,27.2 58.57,26.9 arc(58.52,26.78) 58.4,26.73 arc(58.28,26.78) 58.22,26.9 58.22,27.2 arc(58.17,27.32) 58.05,27.38 arc(57.93,27.32) 57.88,27.2 57.88,26.9 arc(57.82,26.78) 57.7,26.73 arc(57.58,26.78) 57.53,26.9 57.53,27.2 arc(57.47,27.32) 57.35,27.38 arc(57.23,27.32) 57.18,27.2 57.18,26.9 arc(57.12,26.78) 57,26.73 arc(56.88,26.78) 56.82,26.9 56.82,27.2 arc(56.77,27.32) 56.65,27.38 arc(56.53,27.32) 56.47,27.2 56.47,26.9 arc(56.42,26.78) 56.3,26.73 arc(56.18,26.78) 56.12,26.9 56.12,27.2 arc(56.07,27.32) 55.95,27.38 arc(55.83,27.32) 55.78,27.2 55.78,26.9 arc(55.72,26.78) 55.6,26.73 arc(55.48,26.78) 55.43,26.9 55.43,27.2 arc(55.37,27.32) 55.25,27.38 arc(55.13,27.32) 55.07,27.2 55.07,26.9 arc(55.02,26.78) 54.9,26.73 arc(54.78,26.78) 54.72,26.9 54.72,27.2 arc(54.67,27.32) 54.55,27.38 arc(54.43,27.32) 54.38,27.2 54.38,26.9 arc(54.32,26.78) 54.2,26.73 arc(54.08,26.78) 54.03,26.9 54.03,27.2 arc(53.97,27.32) 53.85,27.38 arc(53.73,27.32) 53.68,27.2 53.68,26.9 arc(53.62,26.78) 53.5,26.73 arc(53.38,26.78) 53.32,26.9 53.32,27.2 arc(53.27,27.32) 53.15,27.38 arc(53.03,27.32) 52.97,27.2 52.97,26.9 arc(52.92,26.78) 52.8,26.73 arc(52.68,26.78) 52.62,26.9 52.62,27.2 arc(52.57,27.32) 52.45,27.38 arc(52.33,27.32) 52.28,27.2 52.28,26.9 arc(52.22,26.78) 52.1,26.73 arc(51.98,26.78) 51.93,26.9 51.93,27.2 arc(51.87,27.32) 51.75,27.38 arc(51.63,27.32) 51.57,27.2 51.57,26.9 arc(51.52,26.78) 51.4,26.73 arc(51.28,26.78) 51.22,26.9 51.22,27.2 arc(51.17,27.32) 51.05,27.38 arc(50.93,27.32) 50.88,27.2 50.88,26.9 arc(50.82,26.78) 50.7,26.73 arc(50.58,26.78) 50.53,26.9 50.53,27.2 arc(50.47,27.32) 50.35,27.38 arc(50.23,27.32) 50.18,27.2 50.18,26.9 arc(50.12,26.78) 50,26.73 arc(49.88,26.78) 49.82,26.9 49.82,27.2 arc(49.77,27.32) 49.65,27.38 49.22,27.38 48.75,27.85 48.75,33.82 45.53,37.05 45.53,43.53 47.4,45.4 47.4,49.13 47.13,49.4 45.4,49.4 v1(45,49)
  Bottom w0.184: 97.4,59.41 97.4,58.78 97.47,58.7 97.47,57.8 97.97,57.3 100.95,57.3 100.95,58.68 v1(101.28,59)
